# Altium PCB DMRobotPCB.PcbDoc
Units mm, origin at the board's own origin, x right, y up, seen from the top; angles counter-clockwise.
Board outline 90 x 75 mm, 2 copper layers (Top Layer, Bottom Layer); 97 components, 69 nets, 395 pads, 241 vias.
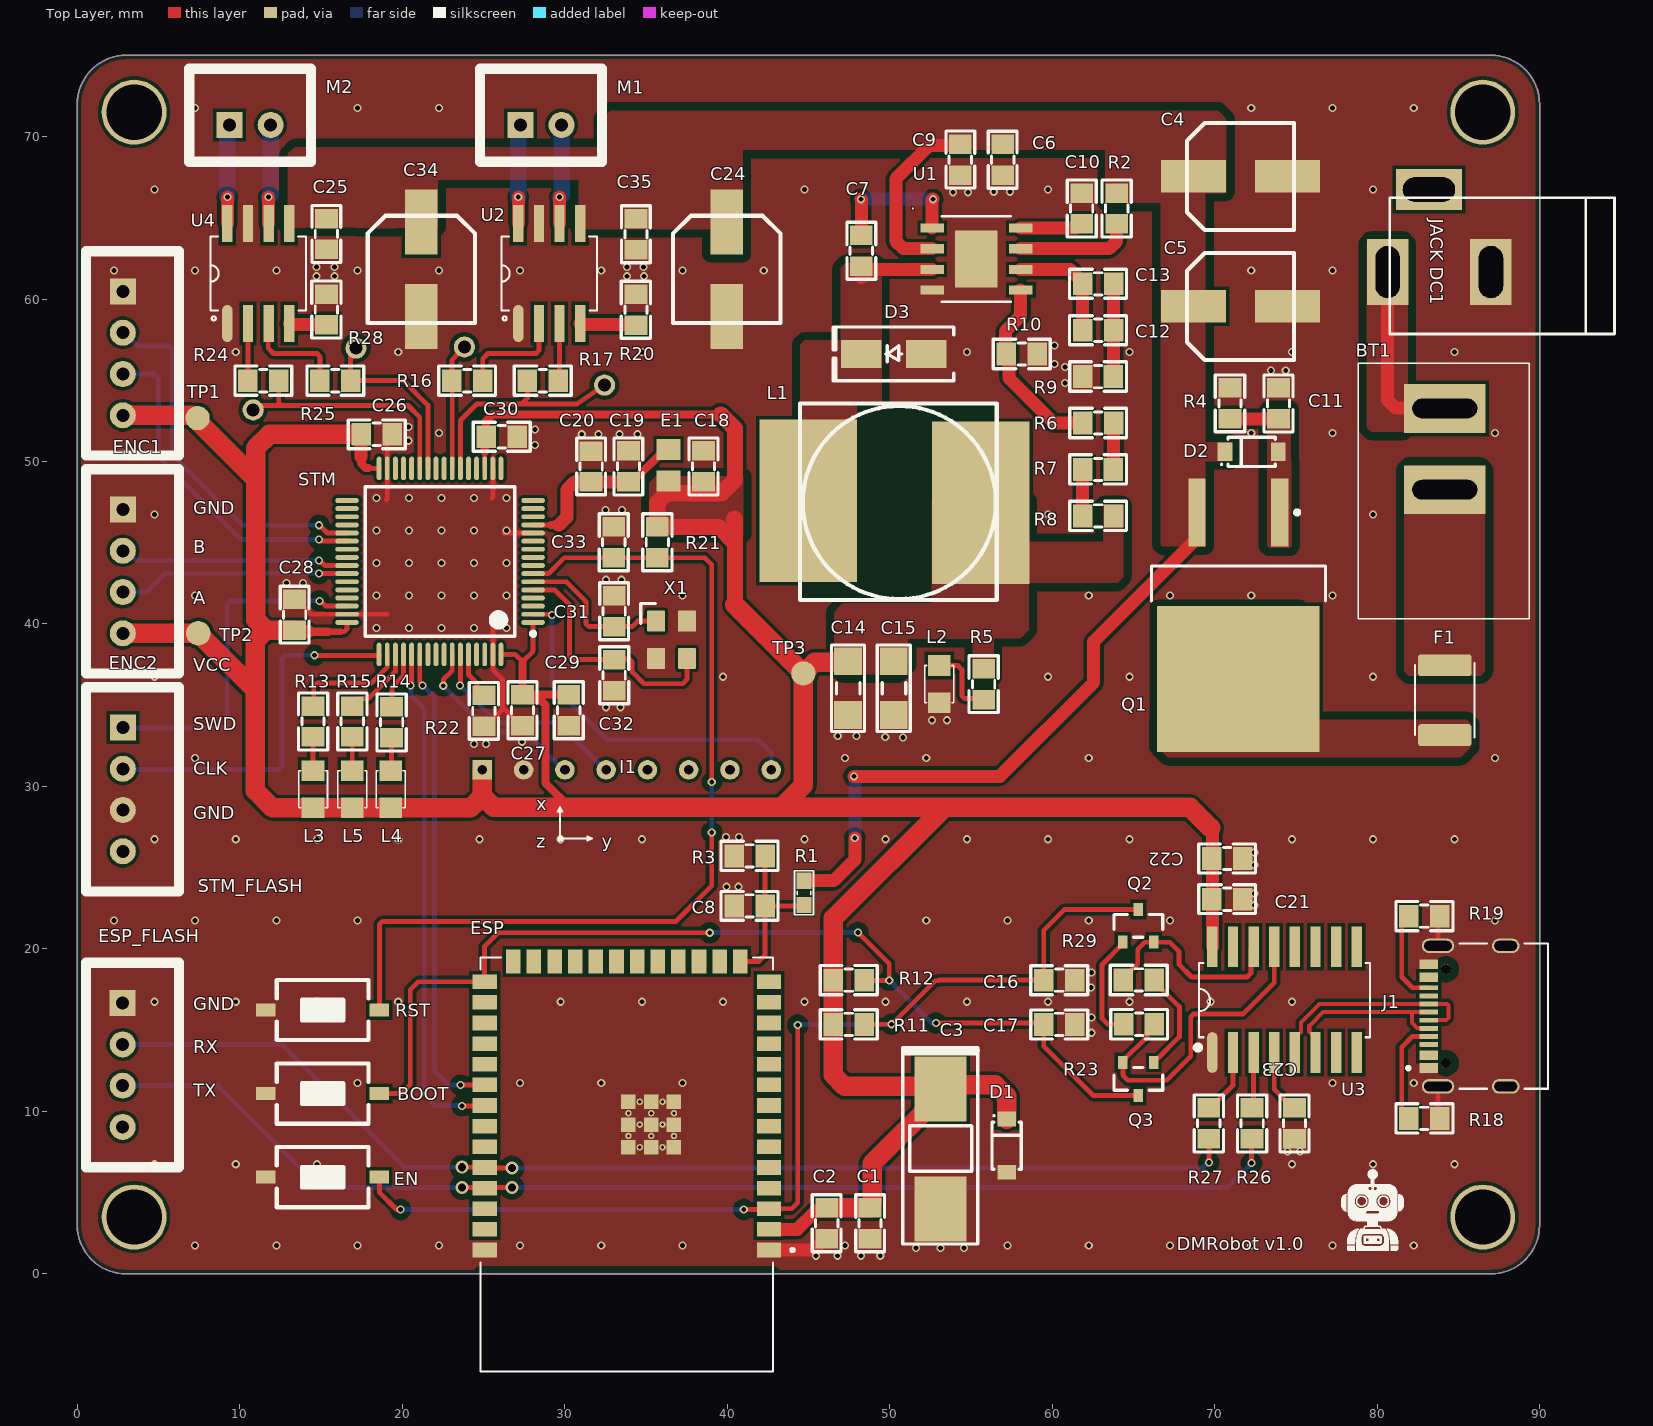
[diagram p0: Top Layer view]
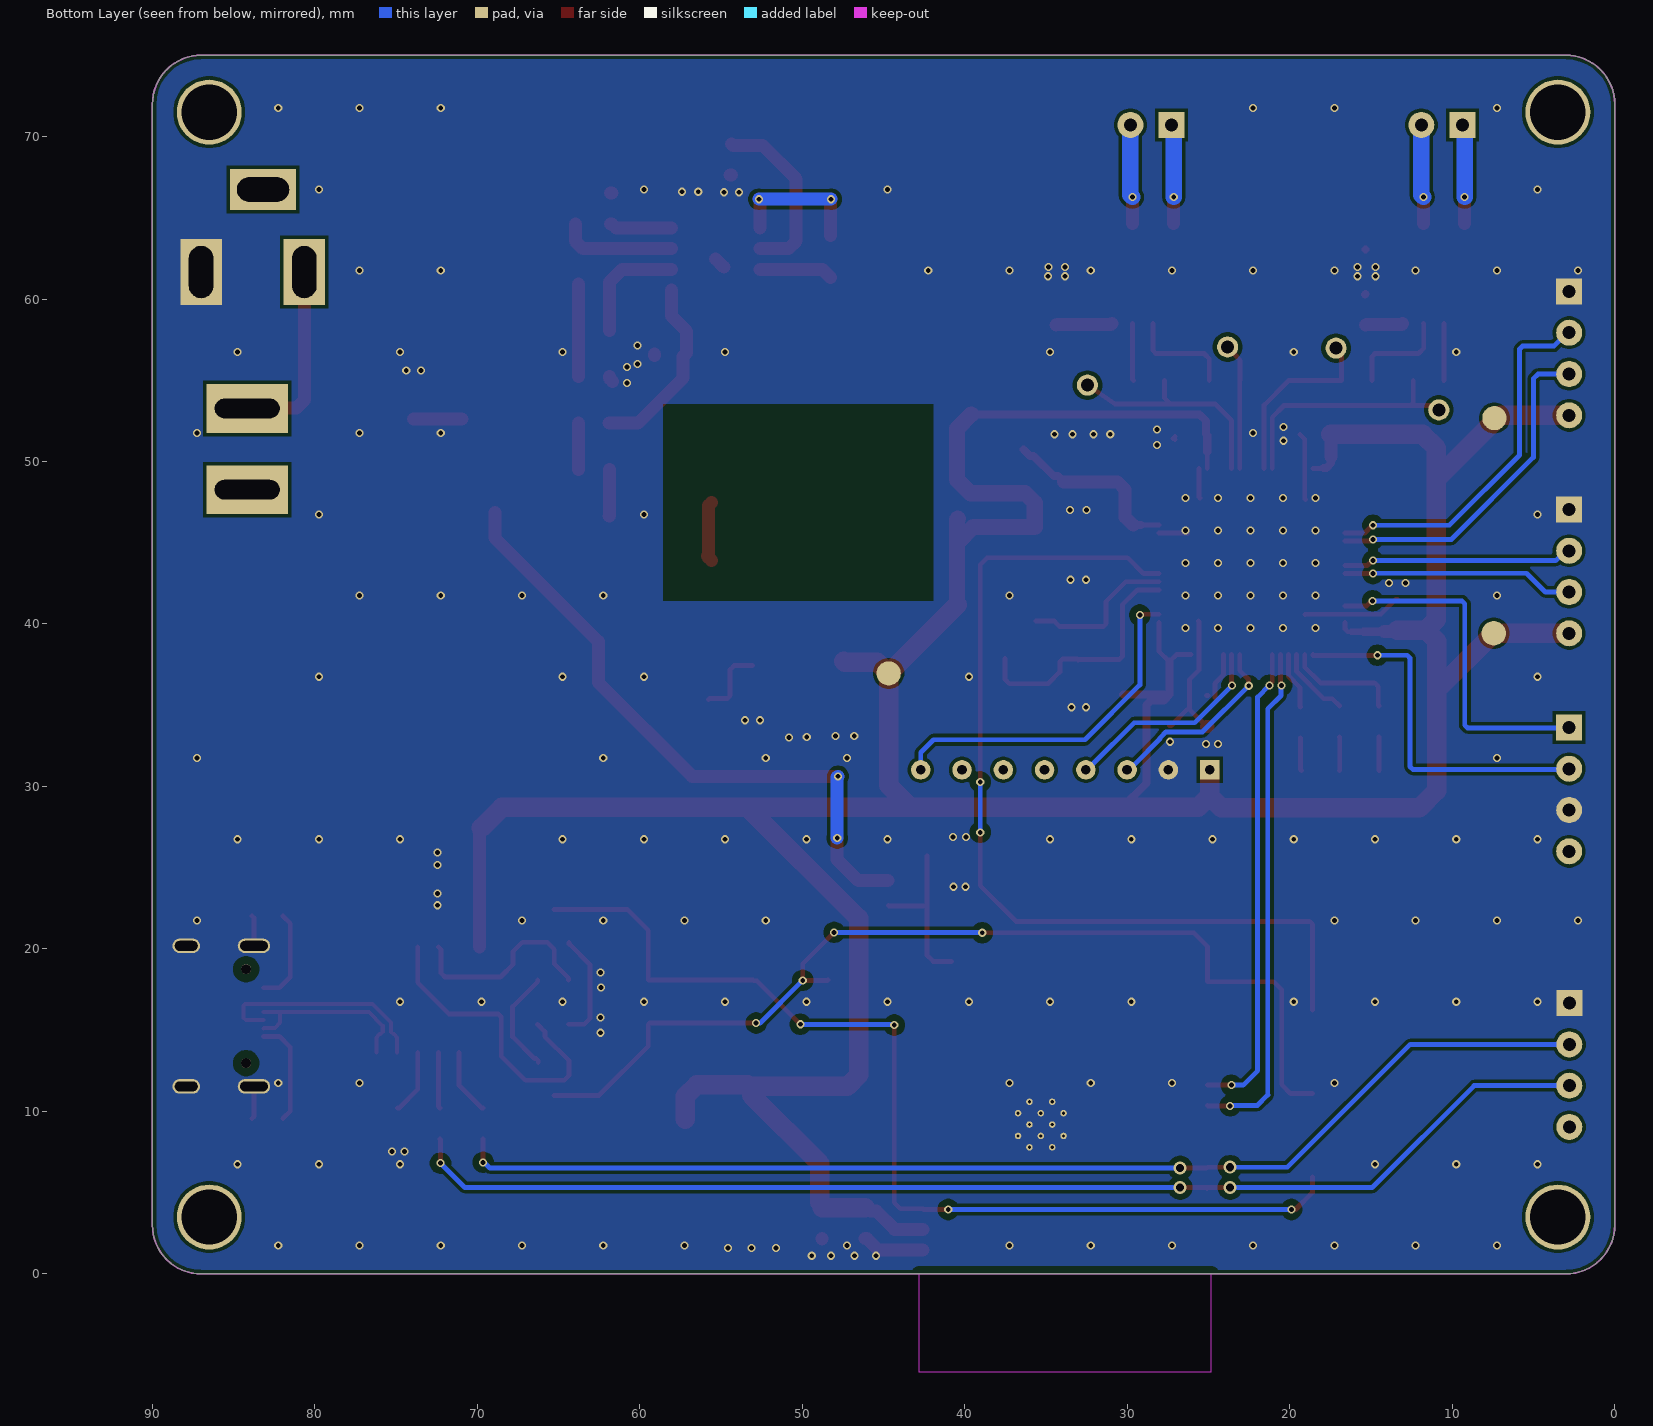
[diagram p1: Bottom Layer view, seen from below]
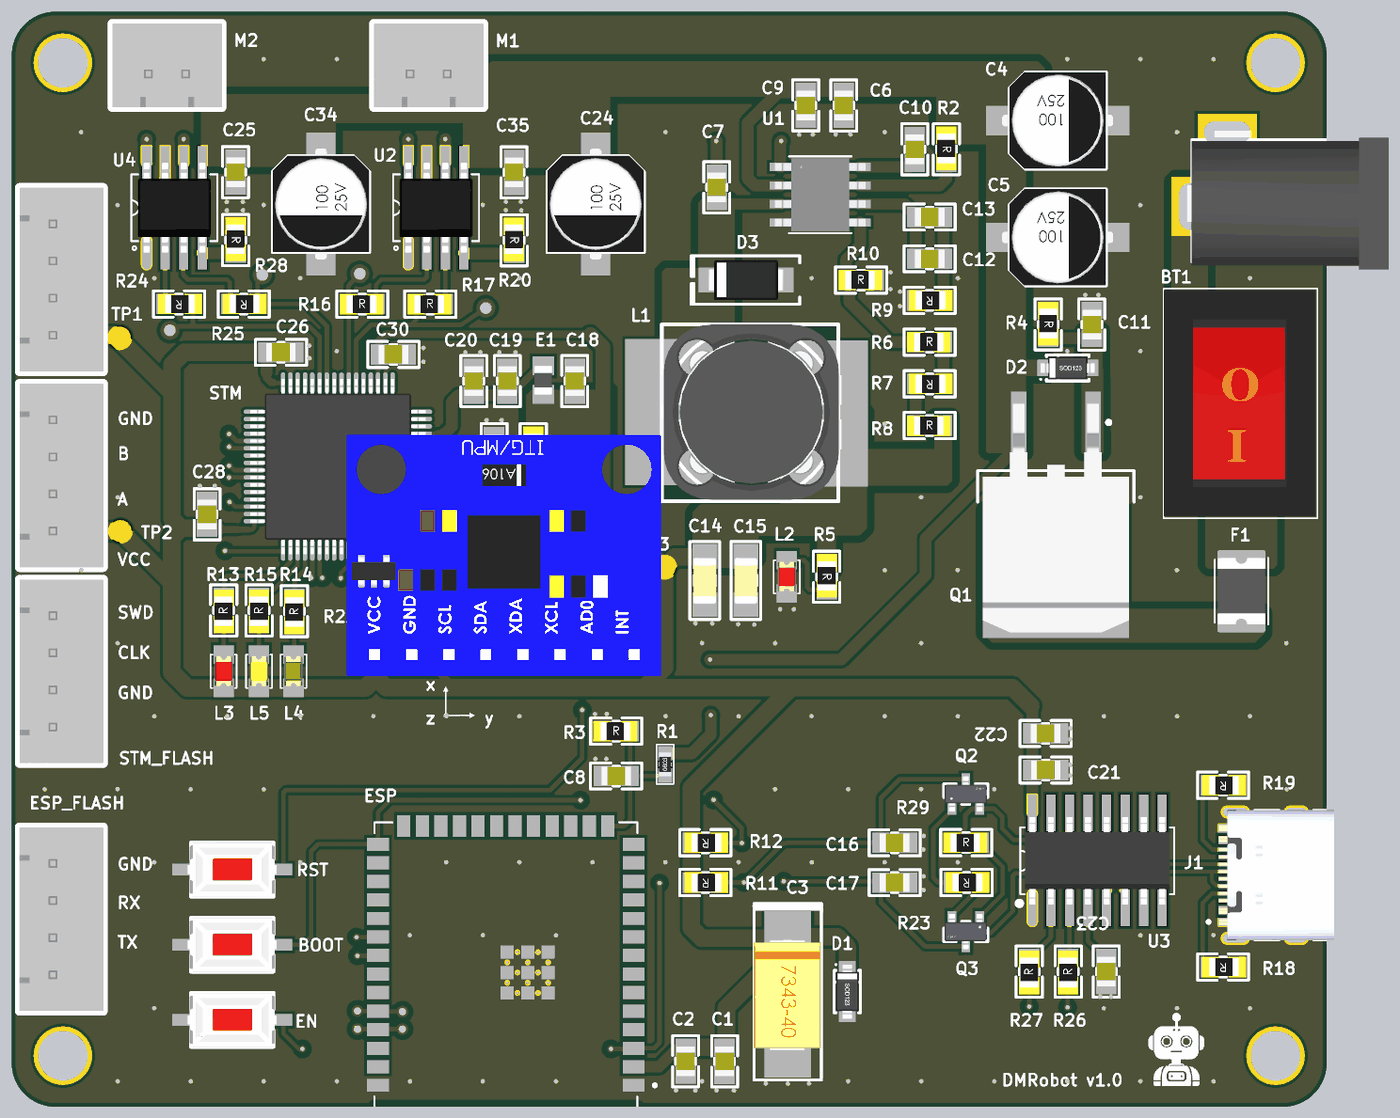
[diagram p2: 3D render of the assembled board from above, using the file's embedded part models]

## Layer stack, top to bottom
Top Solder: solder mask 0.0102, Solder Resist, Dk 3.5
Top Layer: signal copper 0.0356
Dielectric 1: dielectric 0.32, FR-4, Dk 4.8
Bottom Layer: signal copper 0.0356
Bottom Solder: solder mask 0.0102, Solder Resist, Dk 3.5

## Board outline
3,0 cw(c3,3) 0,3 0,72 cw(c3,72) 3,75 87,75 cw(c87,72) 90,72 90,3 cw(c87,3) 87,0

## Design rules (kind name [scope] priority, off if disabled: settings)
Clearance [All] p1: gap=0.2 ignorepadtopadclearanceinfootprint=FALSE except(0.5: Fill-Fill Fill-Poly Fill-Region Fill-Text Fill-Hole Poly-Poly Poly-Region Poly-Text Poly-Hole Region-Region Region-Text Region-Hole)
DiffPairsRouting DiffPairsRouting_1 [All] p1: maxlimit=0.254 minlimit=0.25 mostfreqgap=0.254 toplayer_minwidth=0.25 toplayer_maxwidth=0.381 toplayer_prefwidth=0.3 bottomlayer_minwidth=0.25 bottomlayer_maxwidth=0.381 bottomlayer_prefwidth=0.3 maxuncoupledlength=12.7
DiffPairsRouting [InDifferentialPairClass('USB')] p2: maxlimit=0.254 minlimit=0.15 mostfreqgap=0.2 toplayer_minwidth=0.2 toplayer_maxwidth=0.3 toplayer_prefwidth=0.254 bottomlayer_minwidth=0.2 bottomlayer_maxwidth=0.3 bottomlayer_prefwidth=0.254 maxuncoupledlength=12.7
HoleSize [All] p1: absolutevalues=TRUE maxlimit=5 minlimit=0.025 maxpercent=80.000 minpercent=20.000
MinimumSolderMaskSliver [All] p1: minsoldermaskwidth=0.2
PolygonConnect Connect_Vias [IsVia] p1: connectstyle=Direct reliefconductorwidth=0.254 reliefentries=4 polygonreliefangle="90 Angle" airgapwidth=0.254
PolygonConnect [All] p2: connectstyle=Direct reliefconductorwidth=0.254 reliefentries=4 polygonreliefangle="90 Angle" airgapwidth=0.254
RoutingVias [All] p1: holewidth=0.8 width=0.5 viastyle="Through Hole" minholewidth=0.3 minwidth=0.3 maxholewidth=0.5 maxwidth=1
SilkToSolderMaskClearance [IsPad] p1: minsilkscreentomaskgap=0 clearancetoexposedcopper=TRUE
SolderMaskExpansion [IsVia] p1: expansion=0.102 istentingtop=TRUE useseparateexpansions=TRUE expansionbottom=0.102 istentingbottom=TRUE
UnRoutedNet VUA [All] p1: checkbadconnections=TRUE
Width [All] p1: maxlimit=3 minlimit=0.3 preferedwidth=0.8
25 further rules are at their usual default settings.

## Classes and differential pairs
differential pair class USB: USB
differential pair USB: +USB_P -USB_N

## Components (designator, comment, footprint, x,y, rotation, side; value= is the part's Value field where it differs from the comment)
BOOT "Nut Nhan 2 Chan SMD 3x6x2.5" "Nut Nhan 2 Chan SMD 3x6x2.5" 15.094,11.099 r0 top
BT1 "cong tac bap benh" "CONG TAC BAP BENH" 84.164,53.265 r270 top
C1 "104" "tu 0805" 48.793,3.116 r270 top
C2 "22uf" "tu 0805" 46.118,3.116 r90 top
C3 "100uF" "tu tantalum smd7343" 53.118,7.691 r270 top
C4 "100uF" "tu nhom 6.3 (d)" 71.591,67.542 r0 top
C5 "100uF" "tu nhom 6.3 (d)" 71.591,59.541 r0 top
C6 "104" "tu 0805" 56.95,68.575 r90 top
C7 "103" "tu 0805" 48.255,62.97 r270 top
C8 "104" "tu 0805" 41.371,22.653 r0 top
C9 "106" "tu 0805" 54.35,68.584 r270 top
C10 "104" "tu 0805" 61.815,65.575 r270 top
C11 "105" "tu 0805" 73.927,53.57 r90 top
C12 "102" "tu 0805" 62.825,58.078 r0 top
C13 "332" "tu 0805" 62.825,60.938 r0 top
C14 "226" "tu 1206" 47.435,36.046 r270 top
C15 "226" "tu 1206" 50.255,36.046 r270 top
C16 "104" "tu 0805" 60.433,18.077 r180 top
C17 "104" "tu 0805" 60.433,15.353 r180 top
C18 "106" "tu 0805" 38.537,49.693 r90 top
C19 "106" "tu 0805" 33.919,49.693 r90 top
C20 "104" "tu 0805" 31.625,49.7 r270 top
C21 "106" "tu 0805" 70.768,23.066 r0 top
C22 "104" "tu 0805" 70.768,25.566 r180 top
C23 "104" "tu 0805" 74.911,9.257 r90 top
C24 "22uF" "tu nhom 6.3 (D)" 39.968,61.827 r270 top
C25 "104" "tu 0805" 15.327,64 r90 top
C26 "104" "tu 0805" 18.429,51.672 r180 top
C27 "104" "tu 0805" 27.397,34.696 r90 top
C28 "104" "tu 0805" 13.375,40.575 r270 top
C29 "104" "tu 0805" 30.247,34.696 r90 top
C30 "104" "tu 0805" 26.125,51.525 r180 top
C31 "10pF" "tu 0805" 33.036,40.785 r90 top
C32 "10pF" "tu 0805" 33.043,36.848 r270 top
C33 "104" "tu 0805" 33.018,45.029 r270 top
C34 "22uF" "tu nhom 6.3 (D)" 21.172,61.827 r270 top
C35 "104" "tu 0805" 34.38,63.986 r90 top
D1 "BZT52H-C3V3" SOD123 57.193,7.891 r90 top
D2 "ZENER 3.3V" SOD123 72.275,50.6 r180 top
D3 "SS34" "DIODE SMA" 50.255,56.62 r180 top
E1 "LI0805H121R-10" FB_LI0805H121R-10 36.378,49.763 r90 top
EN "Nut Nhan 2 Chan SMD 3x6x2.5" "Nut Nhan 2 Chan SMD 3x6x2.5" 15.094,5.955 r0 top
ENC1 "ENCODER" XH2.54M-4 2.8,60.465 r270 top
ENC2 "ENCODER" XH2.54M-4 2.8,47.048 r270 top
ESP "ESP32-S3-WROOM-1-N4" XCVR_ESP32-S3-WROOM-1-N4 33.818,6.731 r180 top
ESP_FLASH "LOADER ESSP32" XH2.54M-4 2.793,16.666 r270 top
F1 "2A 24V" "Cau chi tu phuc hoi 2A 24V SMD1812" 84.164,35.311 r270 top
I1 "MOD MPU_6050" "MOD MPU-6050" 24.93,31.025 r0 top
J1 "TYPE-C-31-M-12" HRO_TYPE-C-31-M-12 87.916,15.865 r90 top
"JACK DC1" "JACK DC 5.5" "JACK DC 5.5" 83.825,64.2 r180 top value="Jac DC"
L1 "100uH - 3A SMD" "Cuon Cam 12x12x10" 56.589,41.476 r90 top
L2 "LED 0805" LED-0805-Red 53.049,37.443 r270 top
L3 "LED 0805" LED-0805-Red 14.507,28.687 r90 top
L4 "LED 0805" LED-0805-Green 19.285,28.687 r90 top
L5 "LED 0805" LED-0805-Yellow 16.926,28.687 r90 top
M1 "MOTOR" XH2.54M-2 27.268,70.717 r0 top
M2 "MOTOR" XH2.54M-2 9.361,70.717 r0 top
Q1 "IRF4905STRLPBF" "TO-263 (D2PAK)" 71.464,40.618 r270 top
Q2 "SS8050-G" FP-SS8050-G-MFG 65.3,21.425 r90 top
Q3 "SS8050-G" FP-SS8050-G-MFG 65.3,12 r270 top
R1 "47k" "tro smd 0603" 44.725,23.45 r90 top
R2 "100k" "tro smd 0805" 64.032,65.575 r270 top
R3 "10k" "tro smd 0805" 41.371,25.786 r0 top
R4 "100k" "tro smd 0805" 71.006,53.579 r270 top
R5 "10k" "tro smd 0805" 55.843,36.3 r270 top
R6 "22k" "Tro SMD 0805" 62.828,52.434 r0 top
R7 "220" "tro smd 0805" 62.828,49.447 r180 top
R8 "3.9k" "Tro SMD 0805" 62.828,46.714 r0 top
R9 "6.8k" "tro smd 0805" 62.828,55.167 r180 top
R10 "10k" "tro smd 0805" 58.129,56.681 r0 top
R11 "10k" "tro smd 0805" 47.479,15.296 r180 top
R12 "10k" "tro smd 0805" 47.479,18.02 r180 top
R13 "2.2k" "tro smd 0805" 14.445,33.996 r90 top
R14 "2.2k" "tro smd 0805" 19.283,33.939 r90 top
R15 "2.2k" "tro smd 0805" 16.864,33.996 r90 top
R16 "0R" "tro smd 0805" 23.996,55.036 r0 top
R17 "0R" "tro smd 0805" 28.646,55.036 r0 top
R18 "5.1k" "tro smd 0805" 82.912,9.511 r180 top
R19 "5.1k" "tro smd 0805" 82.912,21.957 r180 top
R20 "30k" "tro smd 0805" 34.444,59.344 r270 top
R21 "10k" "tro smd 0805" 35.761,45.029 r270 top
R22 "10k" "tro smd 0805" 25.086,34.654 r270 top
R23 "10k" "tro smd 0805" 65.35,15.302 r180 top
R24 "0R" "tro smd 0805" 11.454,54.914 r180 top
R25 "0R" "tro smd 0805" 15.879,54.914 r180 top
R26 "0R" "tro smd 0805" 72.244,9.257 r90 top
R27 "0R" "tro smd 0805" 69.577,9.257 r90 top
R28 "30k" "tro smd 0805" 15.391,59.357 r270 top
R29 "10k" "tro smd 0805" 65.325,18.154 r0 top
RST "Nut Nhan 2 Chan SMD 3x6x2.5" "Nut Nhan 2 Chan SMD 3x6x2.5" 15.094,16.242 r0 top
STM "STM32F100xx_LQFP64" STM32_LQFP64 22.325,43.85 r180 top
STM_FLASH "Header 4P 2.54 Duc Thang" XH2.54M-4 2.8,33.63 r270 top
U1 "MP2307DN-HW-LF-P" IC8_MP2307_MNP 55.335,62.462 r0 top
U2 "DRV8871DDARQ1" SOIC8_50_328_25X90_SMT 29.046,61.573 r90 top
U3 "CH340C" SOIC16_50_284_25X90_SMT 74.276,16.877 r90 top
U4 "DRV8871DDARQ1" SOIC8_50_328_25X90_SMT 11.139,61.573 r90 top
X1 "8Mhz" XTAL_3225 36.575,39.025 r270 top

## Footprints (in the part's own frame and the unit in brackets; to place one, negate y for a bottom-side part, rotate by r counter-clockwise, add the part's x,y. Pads: shape width x height; smd on the part's side, far side on the other; paste and mask are expansions set on the pad)
"Cau chi tu phuc hoi 2A 24V SMD1812" [mm]
  rrect25% 1.34x3.29 smd: 1(-2.15,0) 2(2.15,0)
  silkscreen extent -2.28,-1.83 2.28,1.83, body extent -2.27,-1.62 2.27,1.62, height 1.25
"CONG TAC BAP BENH" [mm]
  rect 3x5 hole 1.2 slot 4 at 90 deg: 1(0,0) 2(5,0)
  silkscreen extent -2.77,-5.33 12.95,5.21, body extent -2.67,-5.32 12.83,5.08, height 14.5
"Cuon Cam 12x12x10" [mm] "Cuon Cam 12x12x10"
  rect 10x6 smd: 1(6.1,11.6) 2(6,1)
  silkscreen extent 0,0 12.1,12.1, body extent 0.1,-0.2 12.1,12.14, height 7.51
"DIODE SMA" [mm] "SMA"
  rect 2.5x1.7 smd: 1(-2,0) 2(2,0)
  silkscreen extent -3.68,-1.65 3.75,1.65, body extent -2.6,-1.37 2.6,1.37, height 2.4
FB_LI0805H121R-10 [mm]
  rect 1.285x1.47 smd: 1(-0.973,0) 2(0.973,0)
  body extent -1,-0.63 1,0.63, height 1.1
FP-SS8050-G-MFG [mm]
  rect 0.8x0.6 smd paste+0 mask+0: 1(-1.01,0.95) 2(-1.01,-0.95) 3(1.01,0)
  silkscreen extent -0.7,-1.5 0.7,1.5, body extent -1.51,-1.6 1.51,1.6, height 0.25
HRO_TYPE-C-31-M-12 [mm]
  rect 0.6x1.14 smd mask+0.05: A1_B12(-3.2,4.75) A4_B9(-2.4,4.75) B1_A12(3.2,4.75) B4_A9(2.4,4.75)
  rect 0.3x1.14 smd mask+0.05: A5(-1.25,4.75) A6(-0.25,4.75) A7(0.25,4.75) A8(1.25,4.75) B5(1.75,4.75) B6(0.75,4.75) B7(-0.75,4.75) B8(-1.75,4.75)
  oval 0.9x2 hole 0.6 slot 1.7 at 90 deg: S1(-4.325,4.17) S2(4.325,4.17)
  oval 0.9x1.7 hole 0.6 slot 1.4 at 90 deg: S3(-4.325,0) S4(4.325,0)
  round 0.6 hole 0.6 unplated: ""(-2.89,3.68) ""(2.89,3.68)
  silkscreen extent -4.47,-2.6 4.47,6.1, body extent -4.47,-2.6 4.47,5.31, height 3.31
IC8_MP2307_MNP [mil]
  rect 57.5x22 smd paste+0 mask+0: 1(-107.25,75) 2(-107.25,25) 3(-107.25,-25) 4(-107.25,-75) 5(107.25,-75) 6(107.25,-25) 7(107.25,25) 8(107.25,75)
  rect 103x138 smd paste-68.5 mask+0: EPAD(0,0)
  silkscreen extent -84,-104 84,104, body extent -122,-99 122,99, height 67
"JACK DC 5.5" [mm] "Jac DC input"
  rect 2.54x4.064 hole 1.5 slot 3.2 at 90 deg: 1(3.175,2.54) 2(-3.175,2.54)
  rect 4.064x2.54 hole 1.5 slot 3.2 at 0 deg: 3(0.635,-2.54)
  silkscreen extent -10.8,-2.03 3.05,6.35, body extent -10.42,-2.67 3.4,6.84, height 11.02
LED-0805-Green [mil]
  rect 50x55 smd: 1(0,0) 2(90,0)
  silkscreen extent 0,-35 90,35, body extent 5,-25 85,25, height 43
LED-0805-Red [mil]
  rect 50x55 smd: 1(0,0) 2(90,0)
  silkscreen extent 0,-35 90,35, body extent 5,-25 85,25, height 43
LED-0805-Yellow [mil]
  rect 50x55 smd: 1(0,0) 2(90,0)
  silkscreen extent 0,-35 90,35, body extent 5,-25 85,25, height 43
"MOD MPU-6050" [mm]
  rect 1.2x1.2 hole 0.6: 0(0,0)
  round 1.2 hole 0.6: 1(2.54,0) 2(5.08,0) 3(7.62,0) 4(10.16,0) 5(12.7,0) 6(15.24,0) 7(17.78,0)
  body extent -1.99,-1.52 19.51,14.98, height 11.03
"Nut Nhan 2 Chan SMD 3x6x2.5" [mm]
  rect 1.2x0.8 smd: 1(-3.5,0) 2(3.5,0)
  silkscreen extent -2.82,-1.85 2.82,1.85, body extent -3.05,-1.85 3.05,1.85, height 2.5
SOD123 [mm]
  rect 0.91x1.143 smd: 1(-1.64,0) 2(1.64,0)
  silkscreen extent -1.45,-0.9 1.9,0.9, body extent -1.85,-0.78 1.85,0.77, height 1.35
SOIC8_50_328_25X90_SMT [mil] "SOIC"
  oval 90x25 smd mask+3: 1(-121.32,75)
  rect 90x25 smd mask+3: 2(-121.32,25) 3(-121.32,-25) 4(-121.32,-75) 5(121.32,-75) 6(121.32,-25) 7(121.32,25) 8(121.32,75)
  silkscreen extent -114,-116 90,116, body extent -121,-98 121,98, height 79
SOIC16_50_284_25X90_SMT [mm]
  oval 2.5x0.635 smd mask+0.076: 1(-3.25,4.42)
  rect 2.5x0.635 smd mask+0.076: 2(-3.25,3.15) 3(-3.25,1.88) 4(-3.25,0.61) 5(-3.25,-0.66) 6(-3.25,-1.93) 7(-3.25,-3.2) 8(-3.25,-4.47) 9(3.25,-4.47) 10(3.25,-3.2) 11(3.25,-1.93) 12(3.25,-0.66) 13(3.25,0.61) 14(3.25,1.88) 15(3.25,3.15) 16(3.25,4.42)
  silkscreen extent -3.07,-5.3 2.26,5.44, body extent -3.02,-4.97 2.98,4.93, height 1.4
STM32_LQFP64 [mm] "TSQFP, 64-Leads, Body 10.00x10.00mm, Pitch 0.50mm, IPC Medium Density"
  oval 1.45x0.3 smd: 1(-5.725,3.75) 2(-5.725,3.25) 3(-5.725,2.75) 4(-5.725,2.25) 5(-5.725,1.75) 6(-5.725,1.25) 7(-5.725,0.75) 8(-5.725,0.25) 9(-5.725,-0.25) 10(-5.725,-0.75) 11(-5.725,-1.25) 12(-5.725,-1.75) 13(-5.725,-2.25) 14(-5.725,-2.75) 15(-5.725,-3.25) 16(-5.725,-3.75) 33(5.725,-3.75) 34(5.725,-3.25) 35(5.725,-2.75) 36(5.725,-2.25) 37(5.725,-1.75) 38(5.725,-1.25) 39(5.725,-0.75) 40(5.725,-0.25) 41(5.725,0.25) 42(5.725,0.75) 43(5.725,1.25) 44(5.725,1.75) 45(5.725,2.25) 46(5.725,2.75) 47(5.725,3.25) 48(5.725,3.75)
  oval 0.3x1.45 smd: 17(-3.75,-5.725) 18(-3.25,-5.725) 19(-2.75,-5.725) 20(-2.25,-5.725) 21(-1.75,-5.725) 22(-1.25,-5.725) 23(-0.75,-5.725) 24(-0.25,-5.725) 25(0.25,-5.725) 26(0.75,-5.725) 27(1.25,-5.725) 28(1.75,-5.725) 29(2.25,-5.725) 30(2.75,-5.725) 31(3.25,-5.725) 32(3.75,-5.725) 49(3.75,5.725) 50(3.25,5.725) 51(2.75,5.725) 52(2.25,5.725) 53(1.75,5.725) 54(1.25,5.725) 55(0.75,5.725) 56(0.25,5.725) 57(-0.25,5.725) 58(-0.75,5.725) 59(-1.25,5.725) 60(-1.75,5.725) 61(-2.25,5.725) 62(-2.75,5.725) 63(-3.25,5.725) 64(-3.75,5.725)
  silkscreen extent -5.85,-4.6 4.6,4.6, body extent -6,-6 6,6, height 1.6
"TO-263 (D2PAK)" [mm]
  rect 4.2x1.05 smd: 1(-6.25,2.54) 3(-6.25,-2.54)
  rect 9x10 smd: 2(4,0)
  silkscreen extent -6.37,-5.35 -0.8,5.35, body extent -7.53,-5 8.14,5, height 4.78
"tro smd 0603" [mm] "Chip Capacitor, 2-Leads, Body 1,60x0,80mm, IPC Medium Density"
  rect 1x0.95 smd mask+0.076: 1(-0.75,0) 2(0.75,0)
  silkscreen extent -1.35,-0.58 1.37,0.58, body extent -0.82,-0.42 0.82,0.43, height 0.44
"tro smd 0805" [mm]
  rect 1.2x1.4 smd: 1(-0.946,-0.061) 2(0.954,-0.061)
  silkscreen extent -1.75,-0.97 1.75,0.84, body extent -1.56,-0.76 1.44,0.64, height 0.53
"Tro SMD 0805" [mm]
  rect 1.2x1.4 smd: 1(-0.946,-0.061) 2(0.954,-0.061)
  silkscreen extent -1.75,-0.97 1.75,0.84, body extent -1.56,-0.76 1.44,0.64, height 0.53
"tu 0805" [mm] "Compoment SMD 80x50mil"
  rect 1.2x1.4 smd: 1(-0.946,-0.003) 2(0.954,-0.003)
  silkscreen extent -1.75,-0.89 1.75,0.89, body extent -1.01,-0.64 1.01,0.63, height 0.61
"tu 1206" [mm]
  rect 1.7x1.7 smd: 1(-1.65,0) 2(1.65,0)
  silkscreen extent -2.67,-1.02 2.67,1.02, body extent -1.57,-0.8 1.63,0.8, height 0.94
"tu nhom 6.3 (d)" [mm]
  rect 4x2 smd: 1(-2.9,0) 2(2.9,0)
  silkscreen extent -3.3,-3.3 3.3,3.3, body extent -3.8,-3.3 3.8,3.3, height 8
"tu nhom 6.3 (D)" [mm]
  rect 4x2 smd: 1(-2.9,0) 2(2.9,0)
  silkscreen extent -3.3,-3.3 3.3,3.3, body extent -3.8,-3.3 3.8,3.3, height 8
"tu tantalum smd7343" [mm]
  rect 4x3.2 smd: 1(-3.7,0) 2(3.7,0)
  silkscreen extent -6.23,-2.31 5.85,2.31, body extent -3.75,-2.33 3.85,2.27, height 3.99
XCVR_ESP32-S3-WROOM-1-N4 [mm]
  rect 1.5x0.9 smd: 1(-8.75,5.26) 2(-8.75,3.99) 3(-8.75,2.72) 4(-8.75,1.45) 5(-8.75,0.18) 6(-8.75,-1.09) 7(-8.75,-2.36) 8(-8.75,-3.63) 9(-8.75,-4.9) 10(-8.75,-6.17) 11(-8.75,-7.44) 12(-8.75,-8.71) 13(-8.75,-9.98) 14(-8.75,-11.25) 27(8.75,-11.25) 28(8.75,-9.98) 29(8.75,-8.71) 30(8.75,-7.44) 31(8.75,-6.17) 32(8.75,-4.9) 33(8.75,-3.63) 34(8.75,-2.36) 35(8.75,-1.09) 36(8.75,0.18) 37(8.75,1.45) 38(8.75,2.72) 39(8.75,3.99) 40(8.75,5.26)